# Allegro board DPU_PoE_A1_SizeReduce.brd
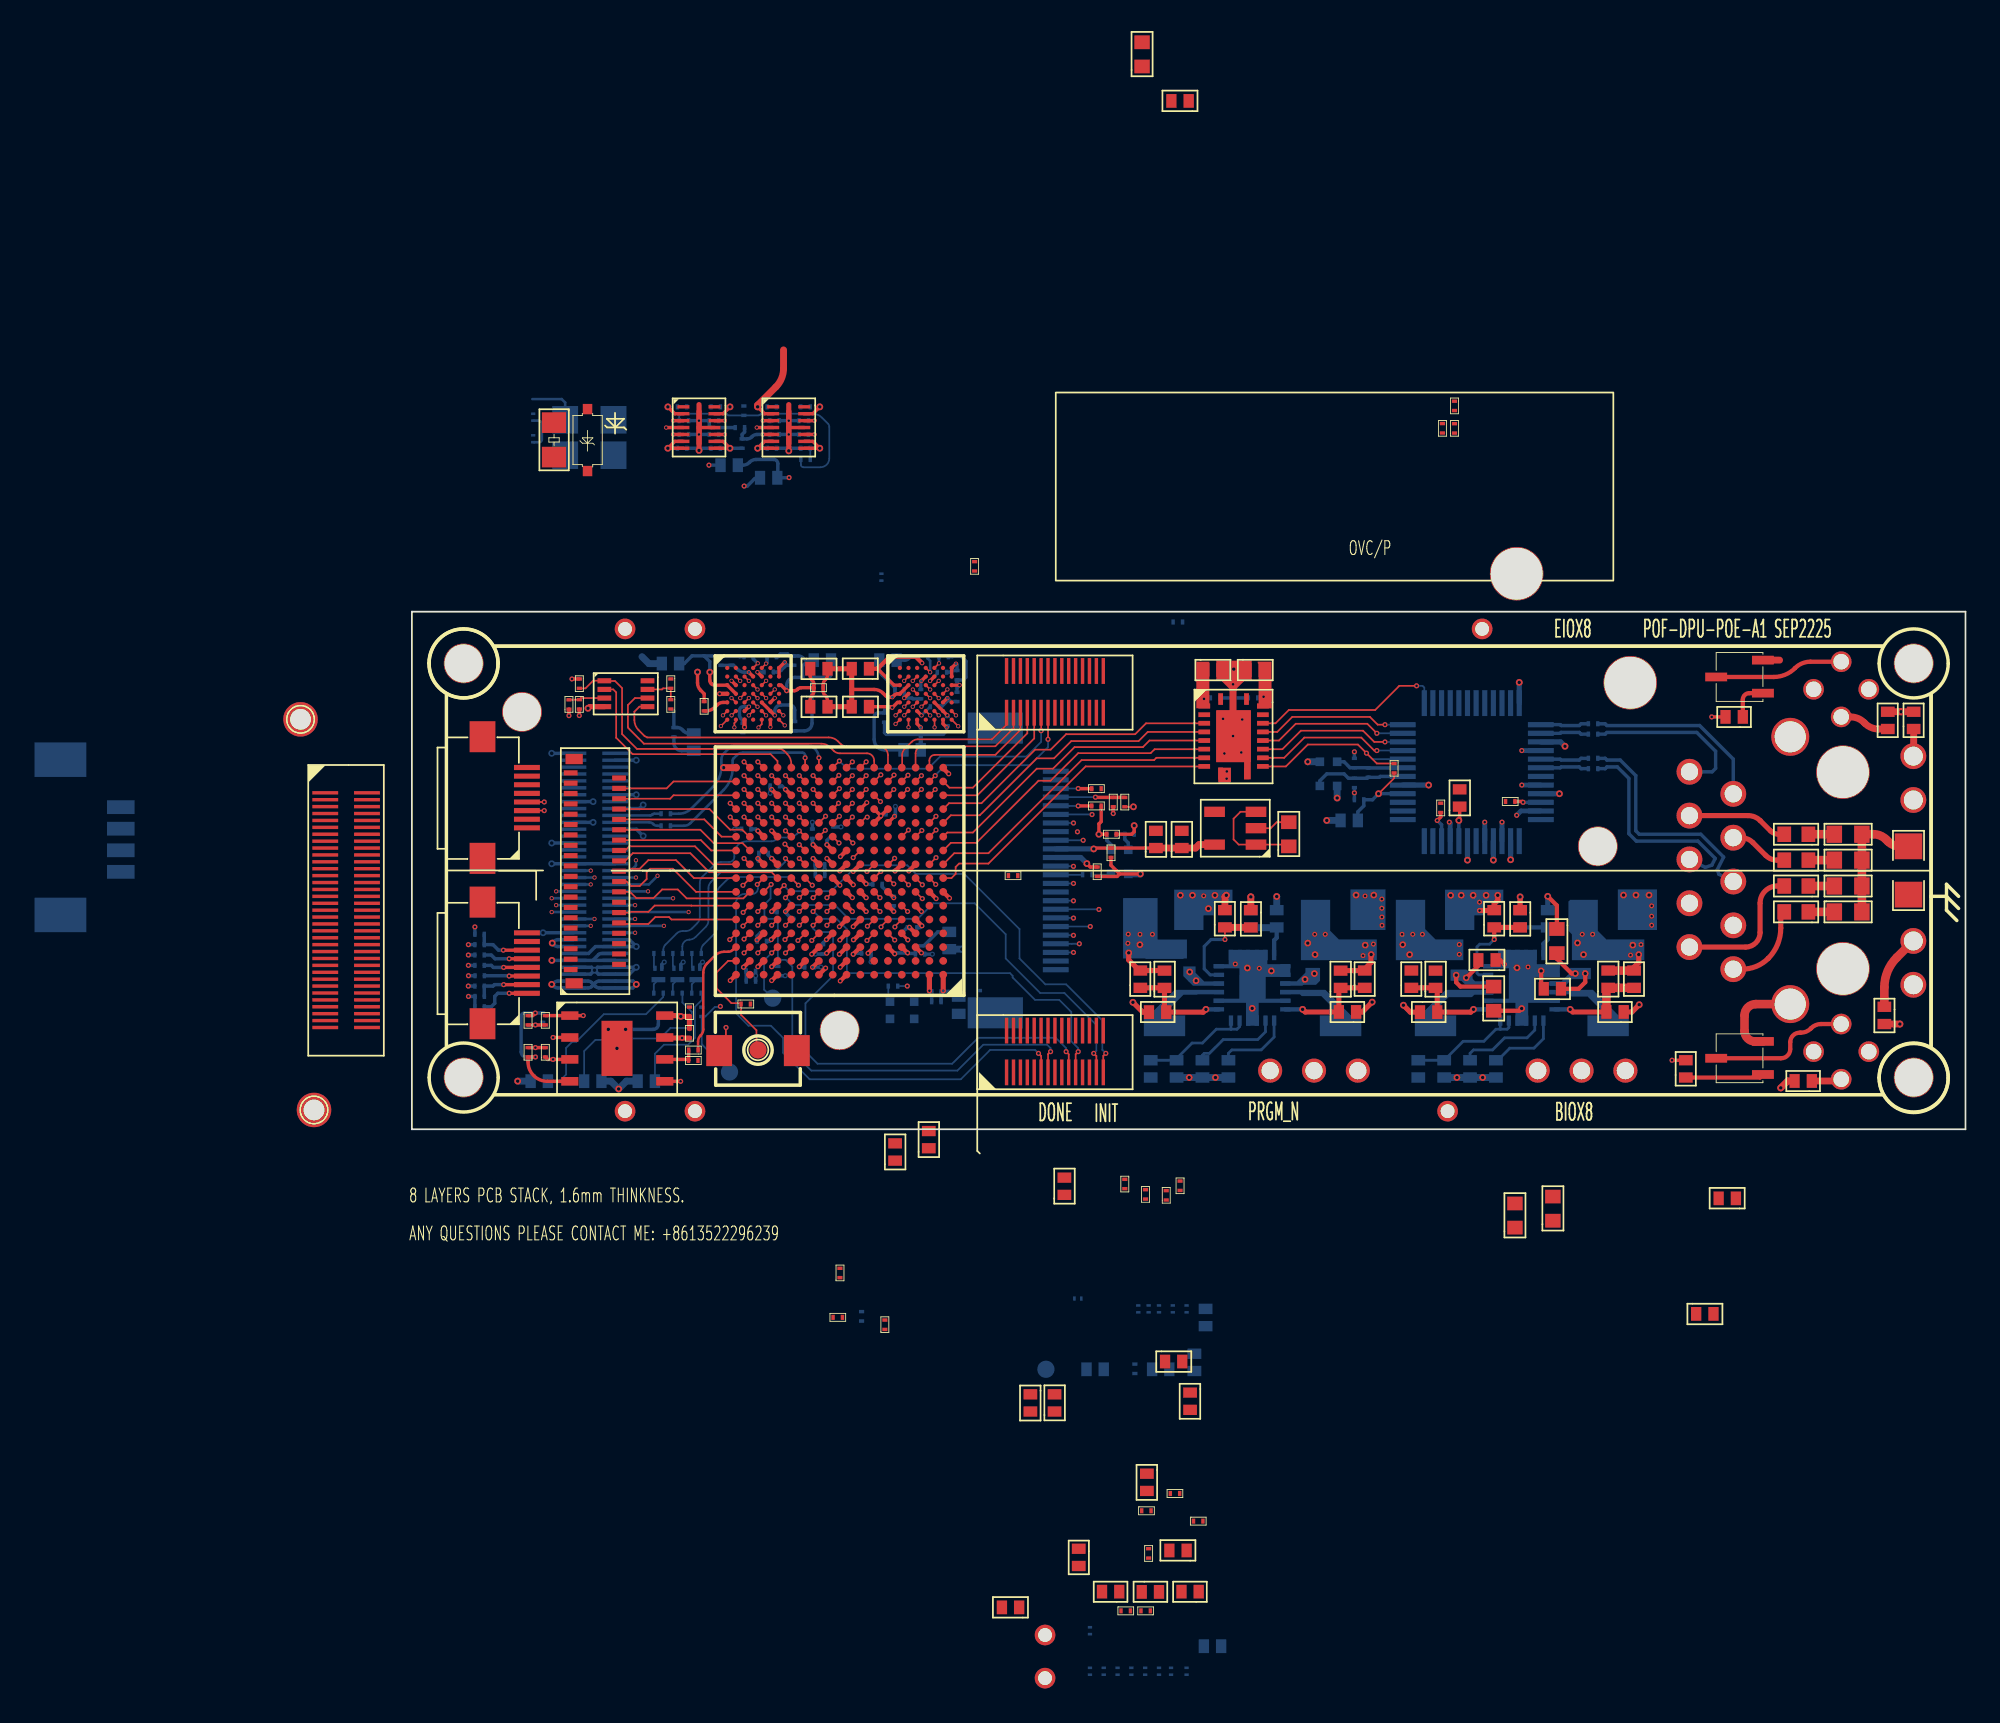
[diagram p0: board, top side]
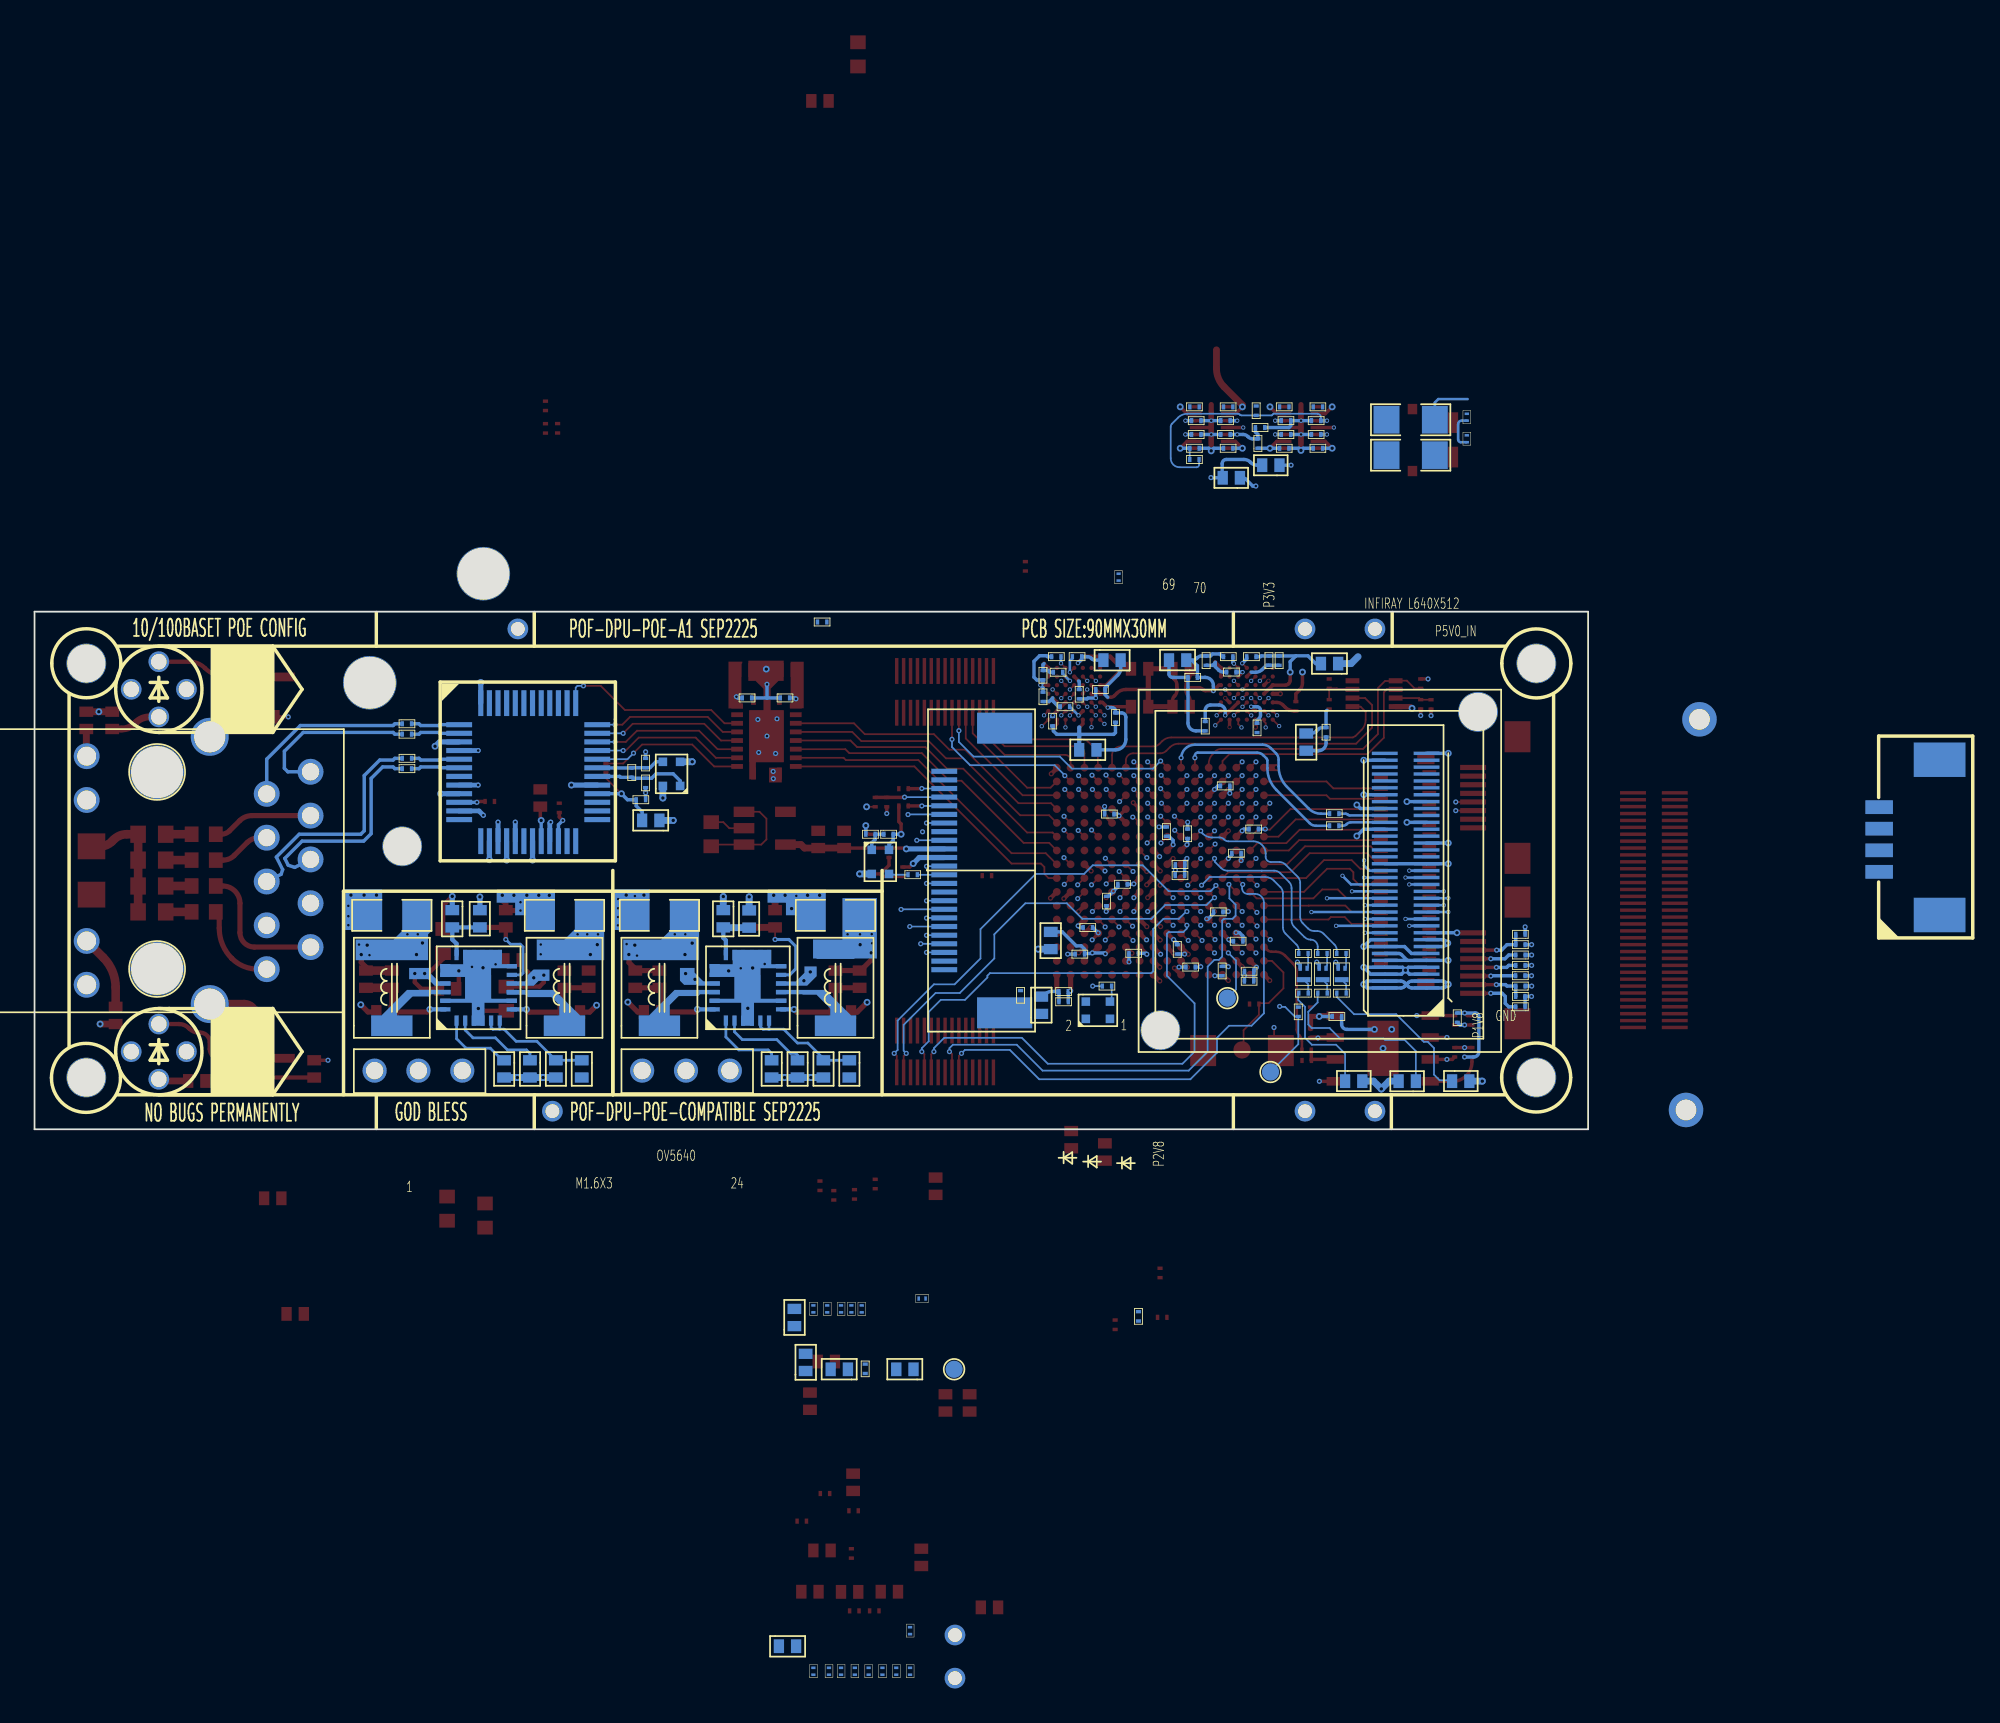
[diagram p1: board, bottom side, seen from below]

Outline 90 x 30 mm; copper layers: TOP, GND-2, SIG-3, VCC-4, GND-5, SIG-6, GND-7, BOTTOM. Coordinates in mm from the lower left corner of the outline.
Outline path: 0,30 90,30 90,0 0,0 0,30

## Design rules (mm)
constraint set DEFAULT: min track width 0.102, pair gap 0.2
net group CK: nets H1_D15 H1_RWDS1
net group DVP_MCLK: nets DVP_MCLK N763219
net group IO_LED_1: nets IO_LED_1 N1593321
net group IO_LED_2: nets IO_LED_2 N1593325
net group IO_LED_3: nets IO_LED_3 N1593329
net group IR_1V8_EN: nets IR_1V8_EN IR_3V3
net group IR_3V3_EN: nets IR_3V3_EN IR_5V0
net group IR_UART_RX: nets IR_UART_RX N2822398
net group IR_UART_TX: nets IR_UART_TX N2822416
net group MCLK: nets MCLK N900708
net group MG_DATABUS_8_15: nets IO-4 IR_D2
net group MIPI1_CLK: nets MIPI1_CLK+ MIPI1_CLK-
net group MIPI1_D0: nets MIPI1_D0+ MIPI1_D0-
net group MIPI1_D1: nets MIPI1_D1+ MIPI1_D1-
net group MIPI2_CLK: nets MIPI2_CLK+ MIPI2_CLK-
net group MIPI2_D0: nets MIPI2_D0+ MIPI2_D0-
net group MIPI2_D1: nets MIPI2_D1+ MIPI2_D1-
net group N2933507: nets N2933507 N2934366
net group RN: nets N2902207 RN
net group RP: nets N2902219 RP
net group SYS_CLK: nets N990230 SYS_CLK
net group TN: nets N2902183 TN
net group TP: nets N2902195 TP
net group UPLD_TXD1: nets N3194743 UPLD_TXD1
net group UPLD_TXD2: nets N3195213 UPLD_TXD2
net group BIO-7_3296077: nets BIO-7_3296077 EN_ME1 EN_ME2 PWR_EN1 PWR_EN2
net group GND_EARTH: nets GND_EARTH N2975066 N2979599 N2979611 N2981115 N2982594 N29811470 N29812170 N29812430 N29812690
net group H1_CK: nets H1_CKN
net group MG1: nets H2_CKN H2_CKP H2_D0 H2_D1 H2_D2 H2_D3 H2_D4 H2_D5 H2_D6 H2_D7 H2_D8 H2_D9 H2_D10 H2_D12 H2_D13 H2_D14 H2_D15 H2_RWDS0 H2_RWDS1
net group MG2: nets H1_CKP H1_CS H1_D0 H1_D1 H1_D2 H1_D3 H1_D4 H1_D5 H1_D6 H1_D7 H1_D8 H1_D9 H1_D10 H1_D11 H1_D12 H1_D13 H1_D14 H1_RWDS0
net group MG_BT1120: nets BIO-1 BIO-3 BIO-4
net group MG_DATABUS_0_7: nets H2_D11
net group MG_DVP: nets DVP_D0 DVP_D1 DVP_D2 DVP_D3 DVP_D4 DVP_D5 DVP_D6 DVP_D7 DVP_HSYNC DVP_PCLK DVP_VSYNC
net group MG_IR_CAM: nets IR_D0 IR_D1 IR_D3 IR_D4 IR_D5 IR_D6 IR_D7 IR_D8 IR_D9 IR_D10 IR_D11 IR_D12 IR_D13 IR_D14 IR_D15 IR_HSYNC IR_PCLK IR_VSYNC
net group P2V8: nets N2071731 N2071821 P2V8

## Placement (name value [footprint] x y rotation side)
C1  0.1uF  [C0201_SMT]  26.05 -10.57 270 bottom
C2  0.1uF  [C0201_SMT]  49 25 180 bottom
C3  10uF  [C0402_SMT]  23.08 26.69 0 top
C4  10uF  [C0402_SMT]  26.48 26.69 180 top
C5  10uF  [C0402_SMT]  45.33 -14.01 90 bottom
C6  10uF  [C0402_SMT]  14.48 26.99 0 bottom
C7  10uF  [C0402_SMT]  45.9 26.62 0 top
C8  10uF  [C0402_SMT]  48.35 26.62 0 top
C9  0.1uF  [C0201_SMT]  23.83 25.59 180 top
C10  4.7uF  [C0201_SMT]  16.93 24.79 270 top
C11  10uF  [C0402_SMT]  23.08 24.49 0 top
C12  0.1uF  [C0402_SMT]  25.48 24.49 0 top
C13  0.1uF  [C0402_SMT]  76.7 -4 180 top
C14  0.1uF  [C0402_SMT]  62.78 9.81 180 top
C15  200pF  [C0402_SMT]  69.3 8.2 90 top
C16  16pF  [C0402_SMT]  59.3 8.2 90 top
C17  10uF  [C0402_SMT]  43.63 -13.46 0 top
C18  4.7uF  [C0201_SMT]  27.4 -11.6 90 top
C19  0.1uF  [C0201_SMT]  24.4 -10.9 0 top
C20  22uF  [C0603_SMT]  66.33 11.61 270 top
C21  22uF  [C0603_SMT]  62.67 6.87 90 top
C22  0.1uF  [C0201_SMT]  32.6 32.9 270 top
C23  10uF  [C0402_SMT]  37.23 -16.36 90 top
C24  10uF  [C0402_SMT]  35.83 -15.36 270 top
C25  0.1uF  [C0201_SMT]  59.7 40.9 270 top
C26  0.1uF  [C0201_SMT]  40.63 18.69 90 top
C27  0.1uF  [C0201_SMT]  54.6 19.1 0 bottom
C28  10nF/100V  [C0603_SMT]  80.9 17.1 180 top
C29  0.1uF  [C0201_SMT]  40.5 16.3 270 top
C30  0.1uF  [C0201_SMT]  35.1 14.7 180 top
C31  0.1uF  [C0201_SMT]  39.7 15.2 270 top
C32  12pF  [C0201_SMT]  54.6 21.5 270 bottom
C33  10nF/100V  [C0603_SMT]  80.9 15.6 180 top
C34  10uF  [C0402_SMT]  44.6 16.3 90 top
C35  1000pF/2KV  [C1206_SMT]  87.5 13.4 90 top
C36  10uF  [C0402_SMT]  42.58 -19.96 270 top
C37  0.1uF  [C0201_SMT]  44.48 -21.11 180 top
C38  12pF  [C0201_SMT]  54.6 19.8 90 bottom
C39  10nF/100V  [C0603_SMT]  80.9 14.1 180 top
C40  10uF  [C0402_SMT]  53.8 17.9 0 bottom
C41  0.1uF  [C0201_SMT]  45.28 -22.71 0 top
C42  10nF/100V  [C0603_SMT]  80.9 12.6 180 top
C43  10nF  [C0201_SMT]  59.6 18.9 270 top
C44  4.7uF  [C0402_SMT]  60.7 18.7 90 top
C45  10uF  [C0402_SMT]  44.88 -24.41 180 top
C46  0.1uF  [C0201_SMT]  42.68 -24.31 270 top
C47  4.7uF  [C0201_SMT]  41.3 -2.9 270 top
C48  10uF  [C0402_SMT]  43.1 16.3 90 top
C49  0.1uF  [C0201_SMT]  24.8 -8.6 90 top
C50  0.1uF  [C0402_SMT]  65.57 8.14 0 top
C51  0.1uF  [C0402_SMT]  74.4 -10.7 0 top
C52  39pF  [C0402_SMT]  53.8 8.2 90 top
C53  20pF  [C0402_SMT]  43.6 8.2 90 top
C54  22uF  [C0603_SMT]  50.8 16.4 90 top
C55  10uF  [C0402_SMT]  45 59.6 180 top
C56  0.1uF  [C0201_SMT]  41.08 -27.91 0 top
C57  0.1uF  [C0201_SMT]  16.08 6.54 90 top
C58  470nF  [C0201_SMT]  3.65 8.3 0 bottom
C59  0.1uF  [C0201_SMT]  6.73 6.59 270 top
C60  10uF  [C0402_SMT]  37.8 -3.8 90 top
C61  22uF  [C0603_SMT]  63.9 -5.7 90 top
C62  22uF  [C0603_SMT]  66.1 -5.3 90 top
C63  22uF  [C0603_SMT]  42.3 61.6 90 top
C64  0.1uF  [C0201_SMT]  6.73 4.19 90 top
C65  10uF  [C0402_SMT]  35.18 -27.71 180 top
C66  10uF  [C0402_SMT]  27.99 -1.82 90 top
C67  10uF  [C0402_SMT]  28.08 27.19 180 bottom
C68  10uF  [C0402_SMT]  23.28 27.19 0 bottom
C69  10uF  [C0402_SMT]  16.33 22.94 270 bottom
C70  0.1uF  [C0201_SMT]  22.13 26.89 90 bottom
C71  0.1uF  [C0201_SMT]  18.49 26.89 90 bottom
C72  0.1uF  [C0201_SMT]  17.9 26.89 90 bottom
C73  0.1uF  [C0201_SMT]  44.1 29.4 0 bottom
C74  0.1uF  [C0201_SMT]  46.8 25 180 bottom
C75  0.1uF  [C0201_SMT]  20.94 26.5 180 bottom
C76  0.1uF  [C0201_SMT]  30.98 26.49 180 bottom
C77  0.1uF  [C0201_SMT]  31.58 26.59 270 bottom
C78  0.1uF  [C0201_SMT]  23.18 26.19 180 bottom
C79  0.1uF  [C0201_SMT]  27.98 25.49 0 bottom
C80  0.1uF  [C0201_SMT]  29.48 25.49 270 bottom
C81  0.1uF  [C0201_SMT]  31.58 24.79 90 bottom
C82  10uF  [C0402_SMT]  45.98 -11.41 90 bottom
C83  0.1uF  [C0201_SMT]  30.58 24.49 180 bottom
C84  0.1uF  [C0201_SMT]  27.38 23.59 90 bottom
C85  0.1uF  [C0201_SMT]  31.02 23.38 90 bottom
C86  0.1uF  [C0201_SMT]  22.18 23.09 90 bottom
C87  0.1uF  [C0201_SMT]  19.18 22.99 90 bottom
C88  0.1uF  [C0201_SMT]  15.18 22.74 90 bottom
C89  10uF  [C0402_SMT]  45.08 -15.26 270 top
C90  10uF  [C0402_SMT]  28.48 21.99 0 bottom
C91  0.1uF  [C0201_SMT]  41.88 -13.61 270 bottom
C92  10uF  [C0402_SMT]  42.88 -13.91 0 bottom
C93  10uF  [C0402_SMT]  39.08 -13.91 0 bottom
C94  0.1uF  [C0201_SMT]  21.3 19.9 180 bottom
C95  1uF  [C0402_SMT]  65.8 12.7 270 bottom
C96  4.7uF  [C0201_SMT]  28.01 18.27 180 bottom
C97  33uF  [C1206_SMT]  57.7 13.2 0 bottom
C98  47uF  [C1206_SMT]  67.7 13.2 0 bottom
C99  4.7uF  [C0201_SMT]  19.1 17.4 0 bottom
C100  0.1uF  [C0201_SMT]  23.2 17.4 270 bottom
C101  4.7uF  [C0201_SMT]  22.53 41.87 0 bottom
C102  4.7uF  [C0201_SMT]  20.58 41.87 0 bottom
C103  4.7uF  [C0201_SMT]  17.33 41.87 0 bottom
C104  4.7uF  [C0201_SMT]  15.38 41.87 0 bottom
C105  0.1uF  [C0201_SMT]  24.43 16.98 90 bottom
C106  0.1uF  [C0201_SMT]  20.1 16 0 bottom
C107  22uF/25V  [C1206_SMT]  11.88 40.32 180 bottom
C108  0.1uF  [C0201_SMT]  19.23 41.92 270 bottom
C109  0.1uF  [C0201_SMT]  22.43 41.07 0 bottom
C110  0.1uF  [C0201_SMT]  17.23 41.07 0 bottom
C111  0.1uF  [C0201_SMT]  23.37 15.34 0 bottom
C112  0.1uF  [C0201_SMT]  18.73 40.67 0 bottom
C113  0.1uF  [C0201_SMT]  23.92 14.7 180 bottom
C114  0.1uF  [C0201_SMT]  22.43 40.27 0 bottom
C115  0.1uF  [C0201_SMT]  17.23 40.27 0 bottom
C116  0.1uF  [C0201_SMT]  26.7 14.2 0 bottom
C117  0.1uF  [C0201_SMT]  40.8 17.1 180 top
C118  4.7uF  [C0201_SMT]  22.53 39.47 0 bottom
C119  4.7uF  [C0201_SMT]  20.58 39.47 0 bottom
C120  4.7uF  [C0201_SMT]  17.33 39.47 0 bottom
C121  4.7uF  [C0201_SMT]  15.38 39.47 0 bottom
C122  22uF/25V  [C1206_SMT]  11.88 38.27 180 bottom
C123  0.1uF  [C0201_SMT]  27.9 13.5 270 bottom
C124  0.1uF  [C0201_SMT]  21.7 12.6 180 bottom
C125  4.7uF  [C0201_SMT]  28.71 11.69 0 bottom
C126  0.1uF  [C0201_SMT]  20 10.9 0 bottom
C127  10uF  [C0402_SMT]  31.13 11.44 270 bottom
C128  0.1uF  [C0201_SMT]  23.8 10.7 270 bottom
C129  0.1uF  [C0201_SMT]  29.17 10.15 0 bottom
C130  4.7uF  [C0201_SMT]  26.6 10.2 180 bottom
C131  0.1uF  [C0201_SMT]  19.36 9.16 0 bottom
C132  0.1uF  [C0201_SMT]  23.3 9.4 180 bottom
C133  0.1uF  [C0201_SMT]  21.2 8.9 90 bottom
C134  4.7uF  [C0201_SMT]  19.91 8.58 180 bottom
C135  0.1uF  [C0201_SMT]  30.66 7.98 180 bottom
C136  0.1uF  [C0201_SMT]  30.11 7.39 0 bottom
C137  4.7uF  [C0201_SMT]  32.88 8.04 270 bottom
C138  10uF  [C0402_SMT]  31.68 6.69 90 bottom
C139  4.7uF  [C0201_SMT]  44.5 -3 270 top
C140  0.1uF  [C0201_SMT]  14.28 6.54 0 bottom
C141  0.1uF  [C0201_SMT]  7.58 6.74 270 bottom
C142  10uF  [C0402_SMT]  46.88 -29.96 180 bottom
C143  1uF  [C0402_SMT]  50.1 12.7 270 bottom
C144  33uF  [C1206_SMT]  42 13.2 0 bottom
C145  47uF  [C1206_SMT]  52.2 13.2 0 bottom
C146  10uF  [C0402_SMT]  29.94 -1.1 90 top
D1  PESD2V0Y1BSF  [DSN0603-2]  38.38 -9.81 0 bottom
D2  PESD2V0Y1BSF  [DSN0603-2]  44.88 -10.61 90 bottom
D3  PESD2V0Y1BSF  [DSN0603-2]  44.08 -10.61 90 bottom
D4  PESD2V0Y1BSF  [DSN0603-2]  43.28 -10.61 90 bottom
D5  PESD2V0Y1BSF  [DSN0603-2]  42.68 -10.61 90 bottom
D6  PESD2V0Y1BSF  [DSN0603-2]  42.08 -10.61 90 bottom
D7  BZT52C5V6-7-F  [SOD-123]  10.18 39.95 90 top
D8  PESD2V0Y1BSF  [DSN0603-2]  40.08 -31.61 90 bottom
D9  PESD2V0Y1BSF  [DSN0603-2]  39.28 -31.61 90 bottom
D10  PESD2V0Y1BSF  [DSN0603-2]  39.28 -29.26 90 bottom
D11  PESD2V0Y1BSF  [DSN0603-2]  40.88 -31.61 90 bottom
D12  PESD2V0Y1BSF  [DSN0603-2]  41.68 -31.61 90 bottom
D13  PESD2V0Y1BSF  [DSN0603-2]  42.48 -31.61 90 bottom
D14  PESD2V0Y1BSF  [DSN0603-2]  43.28 -31.61 90 bottom
D15  PESD2V0Y1BSF  [DSN0603-2]  43.98 -31.61 90 bottom
D16  PESD2V0Y1BSF  [DSN0603-2]  44.88 -31.61 90 bottom
D17  LED  [LED0402_SMT]  14.08 2.79 180 bottom
D18  LED  [LED0402_SMT]  7.88 2.79 180 bottom
D19  LED  [LED0402_SMT]  9.98 2.79 0 bottom
D20  PESD2V0Y1BSF  [DSN0603-2]  27.2 32.2 270 bottom
D21  PESD2V0Y1BSF  [DSN0603-2]  7.03 41.07 90 bottom
D22  PESD2V0Y1BSF  [DSN0603-2]  7.03 39.82 90 bottom
F1  1AMP  [R0805]  8.23 40.96 270 top
FB1  BLM15PD121SN1D  [L0201_SMT]  41.3 18.69 90 top
FB2  BLM15PD121SN1D  [L0201_SMT]  42.28 -22.11 0 top
FB3  BLM15PD121SN1D  [L0201_SMT]  42.78 -27.91 180 top
J2  CONN-2X15P  [DF40HC_3D0_30DS_0D4]  34.45 26.56 0 top
J3  DF40HC(3.0)-70DS-0.4V(51)  [DF40HC-70DS_]  -2.6 19.5 270 top
J4  CONN-2X15P  [DF40HC_3D0_30DS_0D4]  34.45 5.72 0 top
J5  CONN-1X8  [FPC-0D5-8P]  6.66 7.88 90 top
J6  FPC-05F-24PH20  [FPC-0D5-24P]  37.3 9.25 90 bottom
J7  DF40HC(3.0)-70DS-0.4V(51)  [DF40HC-70DS_]  11.78 8.19 90 bottom
J8  HC-1.25-4PWT  [SMD-1D25-4P-DEG0]  -16.86 14.92 90 bottom
J9  CONN-1X8  [FPC-0D5-8P]  6.66 17.47 90 top
J10  CONN-1X3P  [CONN-1X3P-2D54]  70.3 3.4 180 bottom
J11  CONN-1X3P  [CONN-1X3P-2D54]  54.8 3.4 180 bottom
L1  1uH/1A  [IND_SMD_4D4X4D2]  59.3 6 90 bottom
L2  1uH/1A  [IND_SMD_4D4X4D2]  69.3 6 90 bottom
L3  1uH/1A  [IND_SMD_4D4X4D2]  43.6 6 90 bottom
L4  1uH/1A  [IND_SMD_4D4X4D2]  53.8 6 90 bottom
LD1  LaserDiode  [LD_CIR_THR_4P]  82.8 25.5 270 bottom
LD2  LaserDiode  [LD_CIR_THR_4P]  82.8 4.5 270 bottom
NOREF  -  [unnamed]  82.9 20.7 0 top
NOREF#2  -  [unnamed#2]  3 27 0 top
NOREF#3  -  [unnamed#2]  3 3 0 top
NOREF#4  -  [unnamed#2]  87 27 0 top
NOREF#5  -  [unnamed]  70.58 25.88 0 top
NOREF#6  -  [#2]  0 0 90 top
NOREF#7  -  [unnamed]  64 32.2 0 top
NOREF#8  -  [unnamed#2]  24.78 5.74 0 top
NOREF#9  -  [unnamed]  82.9 9.3 0 top
NOREF#10  -  [unnamed#2]  87 3 0 top
NOREF#11  -  [unnamed#2]  68.7 16.4 0 top
NOREF#12  -  [unnamed#2]  6.38 24.19 0 top
NOREF#13  -  [#2]  0 30 0 top
Q1  BFR93AWH6327  [SOT23-3]  78.7 24.8 90 top
Q2  BFR93AWH6327  [SOT23-3]  78.7 2.7 90 top
Q3  BC847BMB,315  [DFN-3-1X0D6]  16.48 8.99 180 bottom
Q4  BC847BMB,315  [DFN-3-1X0D6]  15.38 8.99 180 bottom
Q5  BC847BMB,315  [DFN-3-1X0D6]  14.28 8.99 180 bottom
R1  0R  [R0402_SMT]  59.8 4 270 bottom
R2  DNP  [R0402_SMT]  58.3 4 270 bottom
R3  100K  [R0402_SMT]  70.2 6.8 180 top
R4  49.9K  [R0402_SMT]  58.4 6.79 0 top
R5  0R  [R0402_SMT]  77.1 23.9 180 top
R6  100R  [R0402_SMT]  85.5 23.2 90 top
R7  330R  [R0402_SMT]  87 23.2 90 top
R8  24.9K  [R0402_SMT]  70.8 8.2 90 top
R9  154K  [R0402_SMT]  57.9 8.2 90 top
R10  10K  [R0201_SMT]  60.4 40.35 90 top
R11  10K  [R0201_SMT]  9.7 26.1 270 top
R12  10K  [R0201_SMT]  9.1 24.35 90 top
R13  DNP  [R0201_SMT]  9.7 24.9 270 top
R14  10K  [R0201_SMT]  15 26.1 270 top
R15  DNP  [R0201_SMT]  15 24.9 270 top
R16  10K  [R0201_SMT]  39.93 19.74 180 top
R17  10K  [R0201_SMT]  39.93 18.74 180 top
R18  0R  [R0402_SMT]  64.2 12.7 270 top
R19  DNP  [R0402_SMT]  62.7 11.7 90 top
R20  33R  [R0201_SMT]  68.7 23.5 180 bottom
R21  10K  [R0201_SMT]  60.4 42.2 270 top
R22  33R  [R0201_SMT]  68.7 22.9 180 bottom
R23  75  [R0603_SMT]  82.4 17.1 0 top
R24  10K  [R0201_SMT]  56.9 21.2 270 top
R25  33R  [R0201_SMT]  68.7 21.5 180 bottom
R26  75  [R0603_SMT]  82.4 15.6 0 top
R27  33R  [R0201_SMT]  68.7 20.9 180 bottom
R28  0R  [R0201_SMT]  40.8 17.1 180 bottom
R29  1M  [R0201_SMT]  55.4 20.4 90 bottom
R30  33R  [R0201_SMT]  39.4 14.76 180 bottom
R31  75  [R0603_SMT]  82.4 14.1 0 top
R32  DNP  [R0201_SMT]  41.3 17.1 0 bottom
R33  12.4K,1%  [R0201_SMT]  63.9 19 180 top
R34  75  [R0603_SMT]  82.4 12.6 0 top
R35  0R  [R0402_SMT]  44.3 4 270 bottom
R36  DNP  [R0402_SMT]  42.8 4 270 bottom
R37  DNP  [R0201_SMT]  43.7 -4.1 90 top
R38  33R  [R0201_SMT]  27.6 8.3 0 bottom
R39  0R  [R0201_SMT]  42.5 -3.5 270 top
R40  100K  [R0402_SMT]  54.7 6.8 180 top
R41  48K  [R0402_SMT]  42.7 6.79 0 top
R42  0R  [R0402_SMT]  38.63 -24.31 270 top
R43  DNP  [R0402_SMT]  40.98 -26.8 180 top
R44  0R  [R0402_SMT]  42.28 -26.81 0 top
R45  DNP  [R0402_SMT]  45.58 -26.8 180 top
R46  125K  [R0402_SMT]  55.2 8.2 90 top
R47  120K  [R0402_SMT]  42.2 8.2 90 top
R48  4.7K  [R0201_SMT]  16.79 7.08 270 bottom
R49  330R  [R0402_SMT]  85.3 7.1 270 top
R50  4.7K  [R0201_SMT]  4.2 7.7 180 bottom
R51  4.7K  [R0201_SMT]  7.73 6.59 270 top
R52  4.7K  [R0201_SMT]  16.08 5.29 90 top
R53  4.7K  [R0201_SMT]  19.07 7.26 0 top
R54  33R  [R0201_SMT]  16.58 4.59 180 top
R55  4.7K  [R0201_SMT]  7.73 4.19 90 top
R56  DNP  [R0201_SMT]  16.03 3.99 0 top
R57  0R  [R0402_SMT]  48.6 12.7 270 top
R58  DNP  [R0402_SMT]  47.1 11.7 90 top
R59  0R  [R0402_SMT]  73.8 3 90 top
R60  100R  [R0402_SMT]  81.1 2.8 180 top
R61  2.2K  [R0201_SMT]  31.08 27.39 180 bottom
R62  2.2K  [R0201_SMT]  29.88 27.39 180 bottom
R63  2.2K  [R0201_SMT]  21.12 27.39 180 bottom
R64  2.2K  [R0201_SMT]  19.78 27.39 180 bottom
R65  10K  [R0402_SMT]  62.8 4 270 bottom
R66  10K  [R0402_SMT]  61.3 4 270 bottom
R67  10R  [R0402_SMT]  64.2 11.7 90 bottom
R68  0R  [R0201_SMT]  14.98 18.29 180 bottom
R69  0R  [R0201_SMT]  14.98 17.59 180 bottom
R70  100K  [R0201_SMT]  21.28 41.07 180 bottom
R71  100K  [R0201_SMT]  16.03 41.07 180 bottom
R72  100K  [R0201_SMT]  21.28 40.27 180 bottom
R73  100K  [R0201_SMT]  16.03 40.27 180 bottom
R74  100K  [R0201_SMT]  23.08 38.82 180 bottom
R75  100K  [R0201_SMT]  19.13 39.47 90 bottom
R76  10K  [R0402_SMT]  47.3 4 270 bottom
R77  10K  [R0402_SMT]  45.8 4 270 bottom
R78  1K  [R0201_SMT]  16.77 10.19 180 bottom
R79  1K  [R0201_SMT]  15.66 10.19 180 bottom
R80  1K  [R0201_SMT]  14.56 10.19 180 bottom
R81  20K  [R0201_SMT]  16.21 7.89 0 bottom
R82  20K  [R0201_SMT]  15.12 7.89 0 bottom
R83  20K  [R0201_SMT]  14.02 7.89 0 bottom
R84  10R  [R0402_SMT]  48.6 11.68 90 bottom
R85  4.7K  [R0201_SMT]  3.65 7.1 0 bottom
R86  2.2K  [R0201_SMT]  4.2 8.9 180 bottom
R87  4.7K  [R0201_SMT]  3.65 9.5 0 bottom
R88  4.7K  [R0201_SMT]  3.65 10.1 0 bottom
R89  1K  [R0201_SMT]  3.65 10.7 0 bottom
R90  DNP  [R0201_SMT]  3.65 11.3 0 bottom
R91  1K  [R0402_SMT]  17.88 38.49 0 bottom
R92  1K  [R0402_SMT]  20.17 37.76 0 bottom
SW1  SW KEY-SPST  [SW_SMD_2P_L3D9_W3D0_P4D5]  22.3 4.56 180 top
TP1  T POINT R  [TP_THR_CIR_2D0_1D2]  -6.45 23.76 0 top
TP2  T POINT F  [TP_SMD_1D0_NP]  18.4 3.32 180 bottom
TP3  T POINT R  [TP_THR_CIR_2D0_1D2]  -5.67 1.12 0 top
TP4  T POINT F  [TP_SMD_1D0_NP]  20.05 4.6 0 top
TP7  T POINT F  [TP_SMD_1D0_NP]  36.73 -13.91 180 bottom
TP8  T POINT F  [TP_SMD_1D0_NP]  20.9 7.6 180 bottom
TP9  T POINT F  [TP_THR_CIR_0D8_1D2]  62 29 0 top
TP10  T POINT F  [TP_THR_CIR_0D8_1D2]  36.68 -29.31 0 top
TP11  T POINT F  [TP_THR_CIR_0D8_1D2]  36.68 -31.81 0 top
TP12  T POINT F  [TP_THR_CIR_0D8_1D2]  60 1.05 0 top
TP13  T POINT F  [TP_THR_CIR_0D8_1D2]  12.35 29 0 top
TP14  T POINT F  [TP_THR_CIR_0D8_1D2]  12.35 1.05 0 top
TP15  T POINT F  [TP_THR_CIR_0D8_1D2]  16.4 1.05 0 top
TP16  T POINT F  [TP_THR_CIR_0D8_1D2]  16.4 29 0 top
U1  W958D6NBKX4I  [WFBGA-49]  18.27 26.74 0 top
U2  W958D6NBKX4I  [WFBGA-49]  28.27 26.74 0 top
U3  TXS0108ERGYR  [VQFN-20]  47.6 22.78 270 top
U4  CAT25512HU5I-GT3  [UDFN-8-2X3]  13.65 25.99 270 top
U5  TPS22976DPUR  [WSON-14-EP]  17.53 41.87 270 top
U6  TPS22976DPUR  [WSON-14-EP]  22.73 41.87 270 top
U7  LIFCL-40-7BG256I  [CABGA-256]  30.78 8.96 180 top
U8  TLV75515PDBVR  [SOT-23-5]  48.9 16.5 180 top
U9  W25Q32JWZPIQ_TR  [WSON-8-EP-6X5MM]  11.88 4.69 0 top
U11  MAX20416ATGD/V+  [TQFN-24]  64.3 8.2 180 bottom
U12  W5500  [LQFP-48]  61.4 20.7 270 bottom
U13  HY931147C  [RJ-45-POE]  82.9 15 90 bottom
U14  MAX20416ATGD/V+  [TQFN-24]  48.7 8.2 180 bottom
Y1  Hirose FH35C-39S-0.3SHW  [FH35C-39S-0D3SHW]  9.2 14.96 270 top
Y2  XRCGB-25MHz  [SMD2016-4P]  53.6 19.9 90 bottom
Y3  24.0MHz  [SMD2016-4P]  40.5 16.2 270 bottom
Y4  25.0MHz  [SMD2016-4P]  29.1 7.4 180 bottom

## Library data of the parts
C1-C33 C35-C53 C55-C62 C64-C96 C99-C106 C108-C121 C123-C143 C146 = CAP NP: signal model: DEFAULT_CAPACITOR_1e+07pF_2_1
C34 C54 C63 C97 C98 C107 C122 C144 C145 = CAP NP: signal model: DEFAULT_CAPACITOR_2.2e+07pF_2_1
D1-D6 D8-D16 D20-D22 = DIODE TVS BI-DIR
D7 = DIODE ZENER
D17-D19 = LED
F1 = FUSE
FB1-FB3 = INDUCTOR
J2 J4 = CONN-2X15P
J3 J7 = Header2x35
J5 J9 = CONN-1X8
J6 = OV5640-FPC-24P-DVP
J8 = SIP-1x4
J10 J11 = CONN-1X3P
L1-L4 = INDUCTOR: signal model: DEFAULT_INDUCTOR_4700nH_2_1
LD1 LD2 = LaserDiode_0
Q1 Q2 = 2SC1815
Q3-Q5 = MMBT2222AL
R1-R41 R46-R69 R74-R80 R84-R92 = R: signal model: DEFAULT_RESISTOR_10000OHM_2_1
R42-R45 R70-R73 R81-R83 = R
SW1 = SW KEY-SPST
TP1 TP3 = T POINT R
TP2 TP4 TP7-TP16 = T POINT F
U1 U2 = W958D6NBKX4I
U3 = TXS0108ERGYR
U4 = CAT25512HU5I-GT3
U5 U6 = TPS22976DPUR
U7 = LIFCL-40-BG256
U8 = TLV75515PDBVR
U9 = GD25Q128ESIGR
U11 U14 = MAX20416ATGD/V+
U12 = W5500
U13 = HY931147C
Y1 = FH35C-39S-0DSHW
Y2 = CRY2016-4P
Y3 Y4 = OSCILLATOR
